# Allegro board reServer industrial J401 Carrier Board v11.brd (continued)
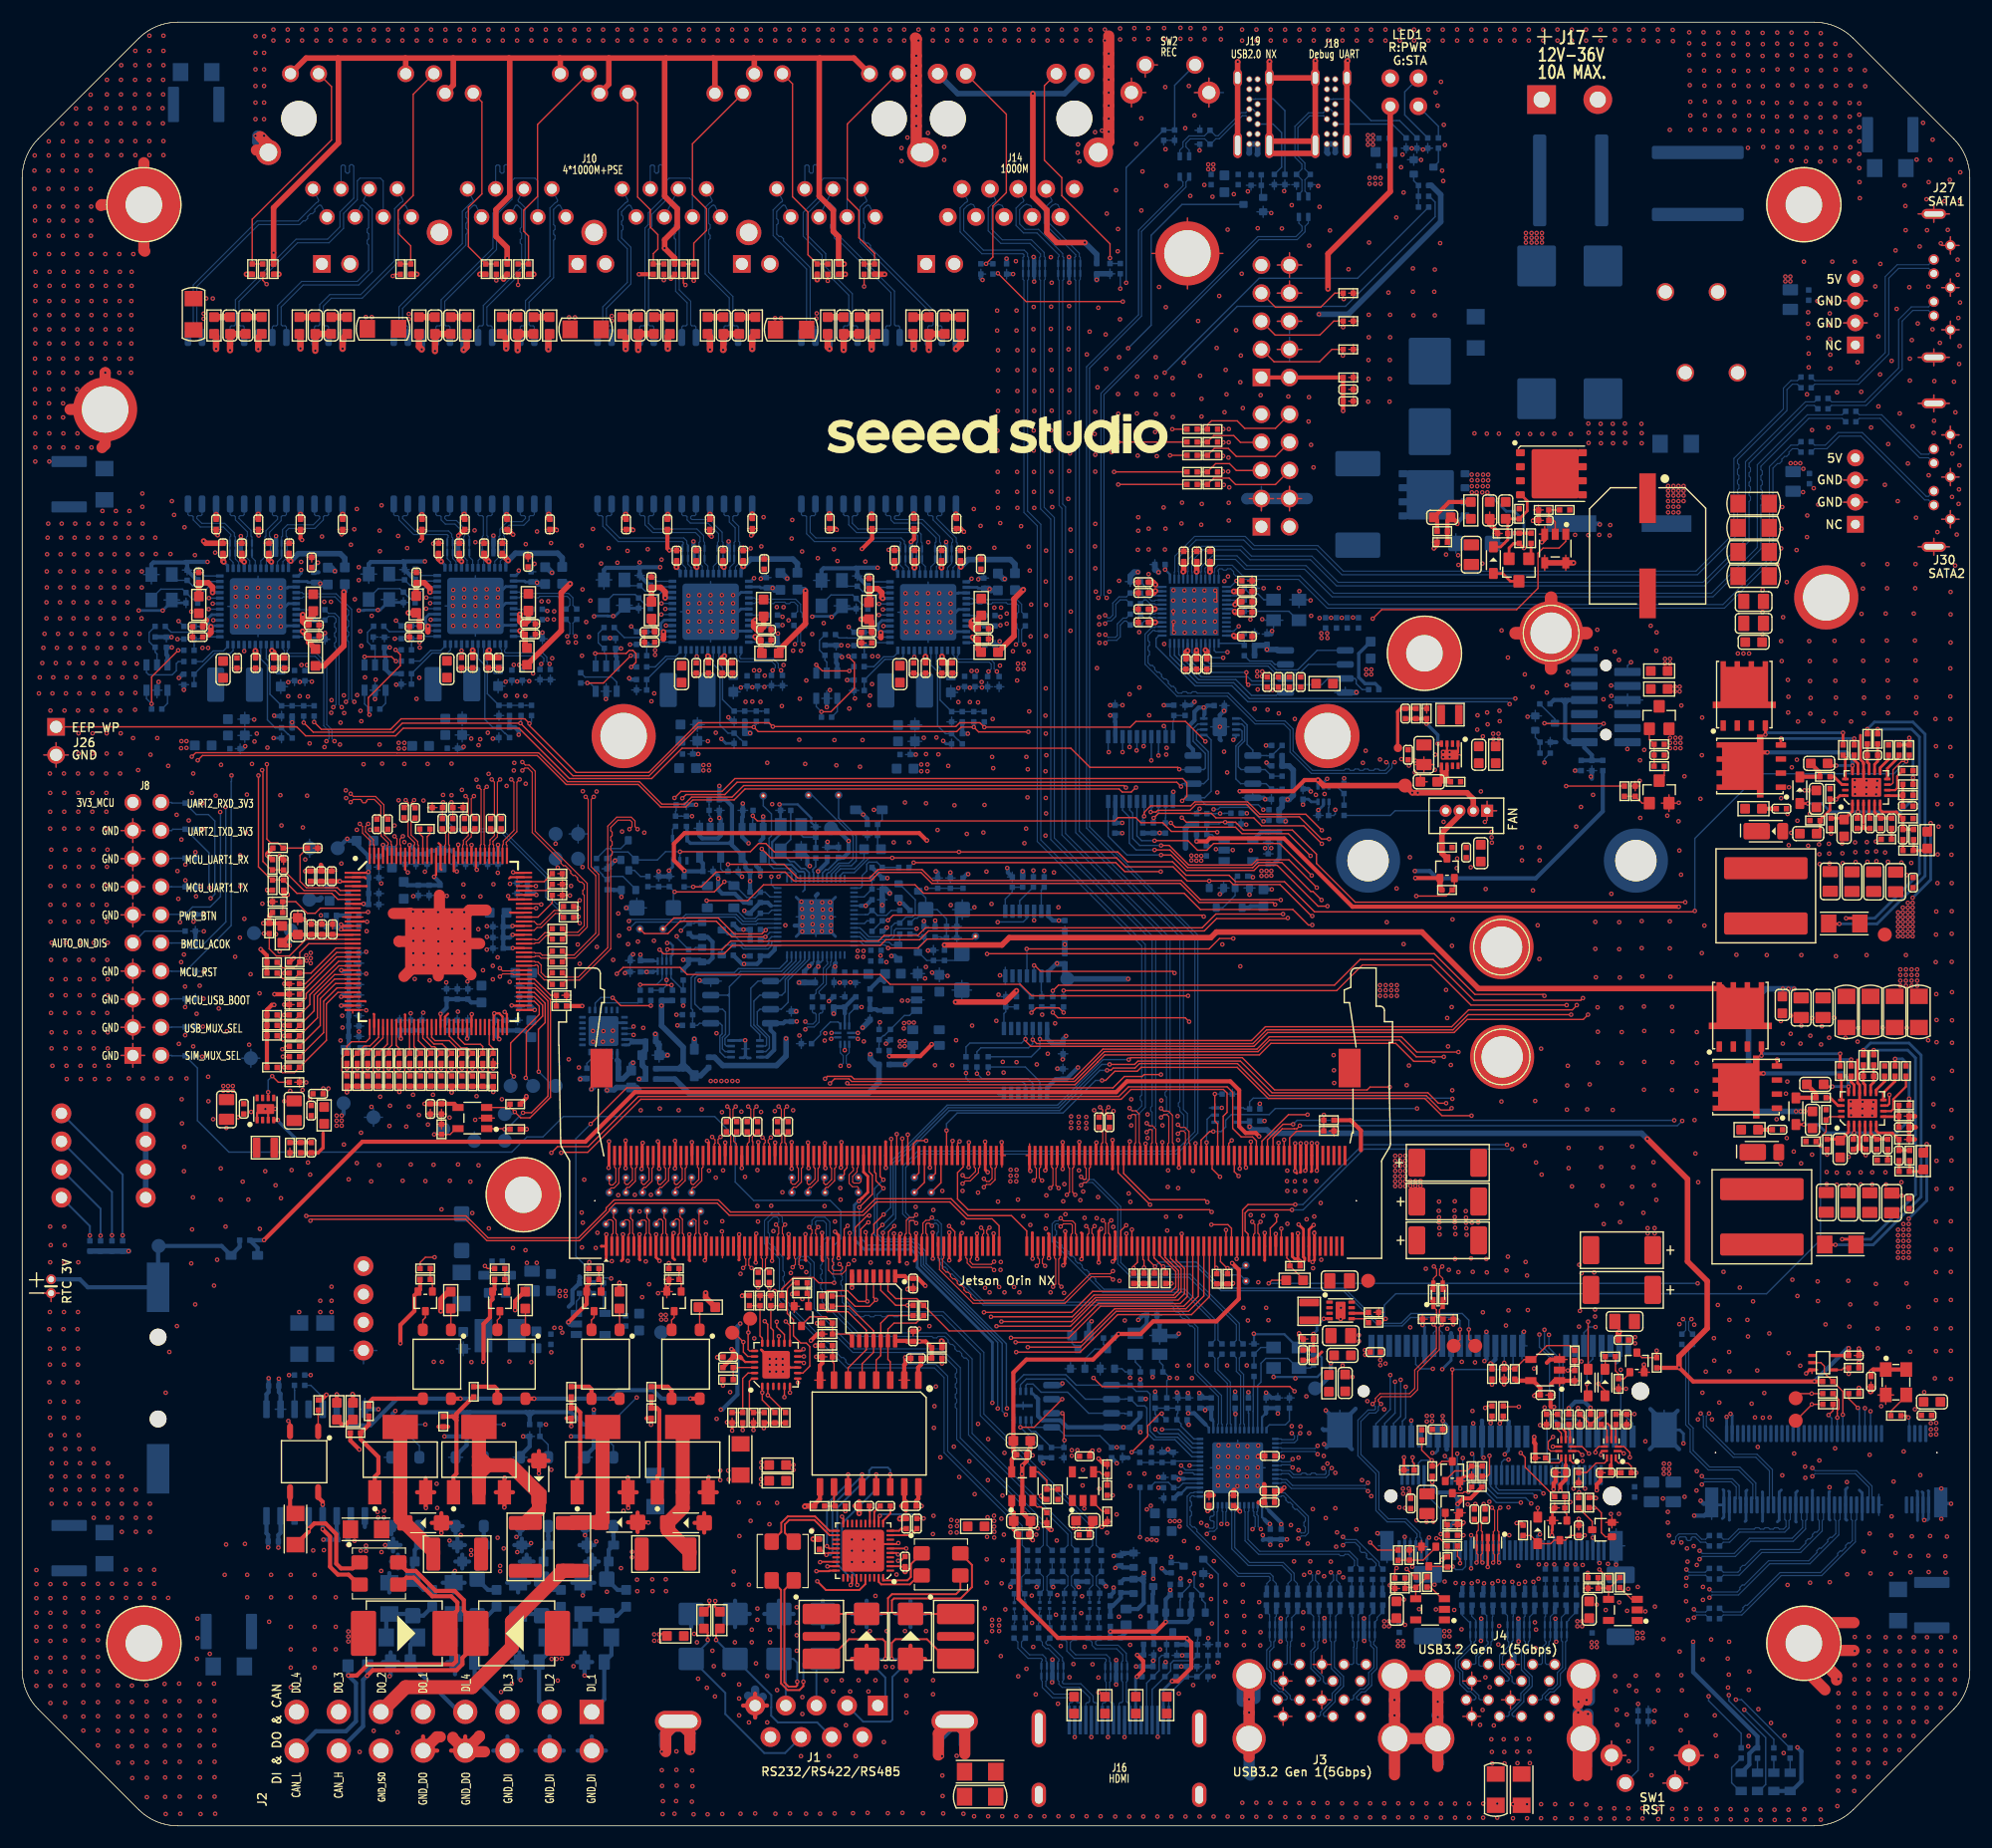
[diagram p0: board, top side]
## Placement (name value [footprint] x y rotation side) (continued)
R35  0R  [R0402]  140.45 20.41 270 bottom
R36  0R  [R0402]  133.85 20.42 270 bottom
R37  0R  [R0402]  135.76 20.42 270 bottom
R38  0R  [R0402]  137.64 20.43 270 bottom
R39  0R  [R0402]  138.58 20.43 270 bottom
R40  0R  [R0402]  144.38 21.99 90 top
R41  0R  [R0402]  143.36 21.97 270 top
R42  0R  [R0402]  141.95 22.42 0 top
R43  12K  [R0402]  114.51 38.21 90 bottom
R44  10K  [R0402]  34.59 36.27 0 bottom
R45  10K  [R0402]  40.63 36.27 0 bottom
R46  10K  [R0402]  46.32 36.27 0 bottom
R47  10K  [R0402]  52.12 36.27 0 bottom
R48  0R  [R0402]  111.31 41.08 270 bottom
R49  1K  [R0402]  110.81 38.21 90 bottom
R50  27R  [R0402]  25.54 40.27 270 bottom
R51  27R  [R0402]  24.61 40.27 270 bottom
R52  10K  [R0402]  103.59 30.56 180 bottom
R53  0R  [R0402]  103.44 38.21 270 bottom
R54  100K  [R0402]  103 33.3 90 bottom
R55  0R  [R0402]  102.91 36.7 180 bottom
R56  1M  [R1206]  25.04 44.03 90 bottom
R57  10K  [R0402]  102.38 38.21 270 bottom
R58  10K  [R0402]  102.04 33.3 270 bottom
R59  2.2K  [R0402]  155.34 6.58 90 bottom
R60  100K  [R0402]  100.61 38.58 0 bottom
R61  10K  [R0402]  100.58 39.82 180 bottom
R62  10K  [R0402]  100.55 37.25 180 bottom
R63  0R  [R0402]  52.07 48.1 0 bottom
R64  0R  [R0603]  42.92 48.17 0 bottom
R65  1K  [R0402]  156.81 6.58 90 bottom
R66  15K  [R0402]  50.36 48.58 90 bottom
R67  0R  [R0402]  52.07 49.06 0 bottom
R68  510R  [R0805]  46.07 49.24 90 bottom
R69  10K  [R0402]  98.44 33.73 90 bottom
R70  100K  [R0402]  116.69 42.54 90 top
R71  0R  [R0402]  42.92 51.03 180 bottom
R72  200K  [R0402]  94.14 33.73 270 bottom
R73  10K  [R0402]  102.62 41.02 0 bottom
R74  100K  [R0402]  116.22 44 180 top
R75  10K  [R0402]  92.03 33.73 90 bottom
R76  0R  [R0402]  100.58 41.02 0 bottom
R77  0R  [R0402]  122.12 45.47 180 top
R78  0R  [R0402]  122.12 46.41 0 top
R79  100K  [R0402]  101.26 90.18 90 bottom
R80  100K  [R0402]  102.22 90.18 90 bottom
R81  100K  [R0402]  103.31 90.18 90 bottom
R82  10K  [R0402]  113.85 97.17 90 bottom
R83  10K  [R0402]  112.91 97.17 90 bottom
R84  10K  [R0402]  113.85 95.32 270 bottom
R85  10K  [R0402]  112.91 95.32 90 bottom
R86  100K  [R0402]  117.59 91.31 180 bottom
R87  10K  [R0402]  62.54 92.74 180 bottom
R88  10K  [R0402]  112.89 93.23 270 bottom
R89  10K  [R0402]  113.85 93.22 90 bottom
R90  200R  [R0402]  119.45 91.78 270 bottom
R91  100K  [R0402]  62.54 91.77 0 bottom
R92  1M  [R0402]  65.58 91.77 180 bottom
R93  10K  [R0402]  128.76 88.41 180 top
R94  10K  [R0402]  119.44 93.75 90 bottom
R95  47K  [R0402]  113.12 91.83 180 bottom
R96  200R  [R0402]  59.04 90.79 270 bottom
R97  100K  [R0402]  60.02 90.78 90 bottom
R98  10K  [R0402]  106.6 91.47 180 bottom
R99  47K  [R0402]  113.12 90.86 180 bottom
R100  10K  [R0402]  76.84 90.5 0 bottom
R101  100K  [R0402]  109.68 90.55 0 bottom
R102  10K  [R0402]  106.59 90.55 0 bottom
R103  10K  [R0402]  128.76 84.57 0 top
R104  51K  [R0402]  106.59 89.58 0 bottom
R105  100K  [R0402]  113.61 89.36 90 bottom
R106  44.2K  [R0402]  112.59 89.36 270 bottom
R107  499R  [R0402]  71.71 87.93 270 bottom
R108  100K  [R0402]  51.9 86.96 90 bottom
R109  100K  [R0402]  52.83 86.95 270 bottom
R110  0R  [R0402]  79.68 86.61 0 bottom
R111  10K  [R0402]  77.26 86.61 0 bottom
R112  7mR  [R1206]  164.3 52.54 0 top
R113  100K  [R0402]  64.25 86.26 0 bottom
R114  10R  [R0603]  156.09 62.91 0 top
R115  10K  [R0402]  104.07 100.81 270 bottom
R116  1M  [R0402]  105.09 100.81 270 bottom
R117  10K  [R0402]  77.26 85.65 0 bottom
R118  5.1K  [R0402]  57.52 85.34 90 bottom
R119  19.6K  [R0402]  56.55 85.34 270 bottom
R120  100K  [R0402]  59.82 85.32 270 bottom
R121  100K  [R0402]  85.02 85.19 270 bottom
R122  100K  [R0402]  83.88 85.19 90 bottom
R123  100K  [R0402]  52.87 85.06 270 bottom
R124  100K  [R0402]  110.28 85.82 180 bottom
R125  0R  [R0402]  77.26 84.66 0 bottom
R126  10K  [R0402]  66.24 84.38 0 bottom
R127  0R  [R0603]  112.16 83.87 270 bottom
R128  10K  [R0402]  79.77 82.73 0 bottom
R129  0R  [R0402]  77.26 82.73 0 bottom
R130  10K  [R0402]  66.24 82.47 0 bottom
R131  0R  [R0402]  77.26 81.79 0 bottom
R132  0R  [R0402]  79.77 81.59 0 bottom
R133  47K  [R0402]  84 81.28 0 bottom
R134  47K  [R0402]  60.28 81.09 90 bottom
R135  10K  [R0402]  66.25 81 0 bottom
R136  10K  [R0402]  64.27 81 270 bottom
R137  100K  [R0402]  77.26 80.85 180 bottom
R138  100K  [R0402]  82.51 80.79 270 bottom
R139  0R  [R0402]  79.76 80.59 0 bottom
R140  10K  [R0402]  66.25 80.06 0 bottom
R141  100K  [R0402]  163.01 64.26 270 top
R142  10K  [R0402]  64.27 79.14 90 bottom
R143  47K  [R0402]  60.23 78.73 90 bottom
R144  100K  [R0402]  83.35 78.67 270 bottom
R145  12.4K  [R0402]  82.35 78.67 90 bottom
R146  0R  [R0402]  164.26 68.21 90 top
R147  2.2R  [R0402]  162.55 65.8 180 top
R148  1M  [R0402]  161.65 61.84 180 top
R149  0R  [R0402]  163.1 61.59 90 top
R150  0R  [R0402]  165.27 68.21 90 top
R151  100K  [R0402]  76.61 75.17 270 bottom
R152  0R  [R0402]  55.85 75.05 90 bottom
R153  0R  [R0402]  56.81 75.05 90 bottom
R154  0R  [R0402]  59.74 76.89 90 bottom
R155  100K  [R0402]  59.74 75.05 270 bottom
R156  100K  [R0402]  58.77 75.05 90 bottom
R157  10R  [R0603]  172.15 89.08 270 top
R158  0R  [R0402]  166.38 69.22 270 top
R159  10K  [R0402]  75.34 74.45 270 bottom
R160  0R  [R0402]  70.86 70.68 180 bottom
R161  27R  [R0402]  72.34 74.45 90 bottom
R162  27R  [R0402]  71.4 74.45 90 bottom
R163  51K  [R0402]  168.45 89.16 180 top
R164  0R  [R0402]  163.45 90.6 90 top
R165  0R  [R0402]  170.42 88.14 180 top
R166  0R  [R0402]  167.31 69.22 270 top
R167  499R  [R0402]  21.74 140.68 90 top
R168  20K  [R0402]  76.61 73.33 270 bottom
R169  1K  [R0402]  60.13 73.3 180 bottom
R170  51K  [R0402]  168.1 60.15 180 top
R171  100K  [R0402]  168.29 68.21 90 top
R172  499R  [R0402]  34.17 140.68 90 top
R173  66.5K  [R0402]  170.91 89.58 90 top
R174  12.4K  [R0402]  170.41 91.03 0 top
R175  10K  [R0402]  60.13 72.34 0 bottom
R176  0R  [R0402]  169.24 68.21 90 top
R177  0R  [R0402]  77.44 71.51 270 bottom
R178  39.2K  [R0402]  170.05 64.14 0 top
R179  0R  [R0402]  170.05 65.11 180 top
R180  12.4K  [R0402]  170.05 62.03 0 top
R181  22K  [R0402]  162.01 90.85 180 top
R182  39.2K  [R0402]  170.22 68.21 90 top
R183  10R  [R0603]  171.8 60.07 270 top
R184  0R  [R0402]  170.07 59.14 180 top
R185  100K  [R0402]  163.36 93.26 270 top
R186  39.2K  [R0402]  170.55 60.57 90 top
R187  0R  [R0402]  170.4 94.12 180 top
R188  39.2K  [R0402]  170.4 93.14 0 top
R189  10K  [R0402]  77.89 70.06 180 bottom
R190  39.2K  [R0402]  170.4 95.35 0 top
R191  2.2R  [R0402]  162.9 94.81 180 top
R192  10K  [R0402]  170.53 97.22 270 top
R193  0R  [R0402]  164.54 97.22 90 top
R194  0R  [R0402]  169.6 97.22 90 top
R195  10K  [R0402]  111.38 64.79 180 bottom
R196  0R  [R0402]  165.55 97.22 90 top
R197  100K  [R0402]  168.65 97.22 90 top
R198  0R  [R0402]  166.74 98.23 270 top
R199  0R  [R0402]  167.66 98.23 270 top
R200  0R  [R0402]  93.13 74.47 90 bottom
R201  10K  [R0402]  118.07 63.77 180 top
R202  0R  [R0402]  92.35 85.29 90 bottom
R203  47K  [R0402]  102.32 49.48 90 top
R204  47K  [R0402]  103.33 49.48 90 top
R205  47K  [R0402]  100.44 49.48 90 top
R206  47K  [R0402]  101.38 49.48 90 top
R207  0R  [R0402]  23.44 98.77 270 bottom
R208  10K  [R0402]  24.4 98.77 270 bottom
R209  10K  [R0402]  24.4 100.75 90 bottom
R210  0R  [R0402]  26.39 100.75 90 bottom
R211  0R  [R0402]  25.44 100.75 90 bottom
R212  47K  [R0402]  165.51 41.39 180 top
R213  47K  [R0402]  163.16 40.16 0 top
R214  75R  [R0603]  17.34 135.59 90 top
R215  0R  [R0402]  15.08 103.13 180 bottom
R216  0R  [R0402]  163.16 39.06 0 top
R217  47K  [R0402]  165.51 39.06 180 top
R218  1K  [R0402]  98.05 30.33 90 top
R219  499R  [R0402]  15.08 104.07 180 bottom
R220  0R  [R0402]  163.17 38.09 0 top
R221  0R  [R0402]  15.08 105.22 180 bottom
R222  100K  [R0402]  98.05 32.22 90 top
R223  0R  [R0402]  15.08 106.23 180 bottom
R224  100K  [R0402]  92.59 29.96 270 top
R225  1K  [R0402]  93.6 29.96 90 top
R226  7mR  [R1206]  149.42 124.89 180 bottom
R227  820KD14  [RES_0D8_16_5X4_1X20MM]  149.38 134.97 90 bottom
R228  820KD14  [RES_0D8_16_5X4_1X20MM]  154.1 134.97 270 bottom
R229  1K  [R0402]  12.16 100.93 0 bottom
R230  200R  [R0402]  26.9 107.22 0 bottom
R231  10K  [R0402]  12.02 106.98 90 bottom
R232  0R  [R0402]  15.08 107.25 180 bottom
R233  15K  [R0402]  98.05 27.95 270 top
R234  0R  [R0402]  12.48 108.39 180 bottom
R235  0R  [R0402]  15.08 108.39 180 bottom
R236  15K  [R0402]  92.59 27.85 270 top
R237  27R  [R0402]  169.32 37.07 0 top
R238  7mR  [R1206]  131.35 134.97 270 bottom
R239  0R  [R0402]  15.87 110.95 270 bottom
R240  100K  [R0402]  99.28 23.97 90 bottom
R241  10K  [R0402]  70.48 48.12 0 top
R242  10K  [R0402]  103.83 23.34 90 bottom
R243  6.04K  [R0402]  15.89 113.07 270 bottom
R244  499R  [R0402]  97.51 22.54 90 bottom
R245  499R  [R0402]  96.27 22.54 90 bottom
R246  499R  [R0402]  95.28 22.54 90 bottom
R247  499R  [R0402]  94.04 22.54 90 bottom
R248  499R  [R0402]  93.07 22.54 90 bottom
R249  499R  [R0402]  91.8 22.54 90 bottom
R250  499R  [R0402]  90.83 22.54 90 bottom
R251  499R  [R0402]  89.56 22.54 90 bottom
R252  499R  [R0402]  87.72 140.7 90 bottom
R253  499R  [R0402]  99.23 140.72 90 bottom
R254  150K  [R0402]  99.28 21.54 90 bottom
R255  10K  [R0402]  106.14 20.87 0 bottom
R256  10K  [R0402]  104.21 20.87 0 bottom
R257  10K  [R0402]  107.62 16.39 180 bottom
R258  33K  [R0402]  98.78 17 0 bottom
R259  10K  [R0402]  107.62 15.41 180 bottom
R260  5.1R  [R0402]  97.33 17.43 270 bottom
R261  5.1R  [R0402]  96.31 17.43 270 bottom
R262  5.1R  [R0402]  95.09 17.43 270 bottom
R263  5.1R  [R0402]  94.08 17.43 270 bottom
R264  5.1R  [R0402]  92.86 17.43 270 bottom
R265  5.1R  [R0402]  91.84 17.43 270 bottom
R266  5.1R  [R0402]  90.65 17.43 270 bottom
R267  5.1R  [R0402]  89.63 17.43 270 bottom
R268  2.2K  [R0402]  105.74 16.39 0 bottom
R269  2.2K  [R0402]  103.88 16.39 180 bottom
R270  0R  [R0402]  34.73 108.43 180 bottom
R271  0R  [R0402]  32.22 108.41 180 bottom
R272  10K  [R0402]  111.51 148.25 180 bottom
R273  10K  [R0402]  111.51 149.2 0 bottom
R274  5.1K  [R0402]  126.04 152.07 270 bottom
R275  5.1K  [R0402]  125.06 152.07 270 bottom
R276  5.1K  [R0402]  114.1 148.77 270 bottom
R277  5.1K  [R0402]  113.15 148.77 270 bottom
R278  0R  [R0603]  63.05 18.59 270 top
R279  0R  [R0603]  61.6 18.59 270 top
R280  0R  [R0603]  59.03 17.16 0 top
R281  1M  [R1206]  57.22 30.25 270 bottom
R282  0R  [R0603]  86.2 27.06 180 top
R283  0R  [R0402]  114.33 20.42 270 bottom
R284  0R  [R0402]  77.89 68.8 0 bottom
R285  10K  [R0402]  104.81 36.7 0 bottom
R286  0R  [R0402]  100.99 33.3 270 bottom
R287  100K  [R0402]  147.7 41.85 90 top
R288  1K  [R0402]  124.32 24.46 270 top
R289  0R  [R0402]  115.26 20.42 270 bottom
R290  120R  [R1206]  24.7 26.82 90 top
R291  47K  [R0402]  125.33 32.15 180 top
R292  100K  [R0402]  125.37 24.47 90 top
R293  47K  [R0402]  126.47 35.32 270 top
R294  47K  [R0402]  127.42 32.05 90 top
R295  10K  [R0402]  128.8 23.85 270 top
R296  1K  [R0402]  129.24 26.26 180 top
R297  100K  [R0402]  129.24 27.22 0 top
R298  0R  [R0402]  129.24 25.29 180 top
R299  10K  [R0402]  73.93 28.9 0 top
R300  1M  [R0402]  72.05 28.9 180 top
R301  0R  [R0603]  68.27 31.18 0 top
R302  0R  [R0402]  128.42 48.01 90 top
R303  0R  [R0402]  127.48 48.01 90 top
R304  0R  [R0603]  68.27 32.6 0 top
R305  100K  [R0402]  130.98 32.05 270 top
R306  47K  [R0402]  131.45 30.63 180 top
R307  1K  [R0402]  131.94 32.05 90 top
R308  0R  [R0402]  132.82 37.48 270 top
R309  0R  [R0402]  132.82 40.84 270 top
R310  0R  [R0402]  133.84 37.48 270 top
R311  10K  [R0402]  56.85 37.3 270 top
R312  10K  [R0402]  49.62 37.3 270 top
R313  10K  [R0402]  38.06 36.54 270 top
R314  10K  [R0402]  30.12 35.51 180 top
R315  0R  [R0402]  140.29 42.52 270 top
R316  100K  [R0402]  140.29 40.69 270 top
R317  100K  [R0402]  135.62 26.7 270 top
R318  499R  [R0402]  26.76 38.03 270 top
R319  0R  [R0402]  137.19 33.25 0 top
R320  330R  [R0402]  56.85 39.23 270 top
R321  330R  [R0402]  49.62 39.23 270 top
R322  330R  [R0402]  40.81 39.23 270 top
R323  330R  [R0402]  31.33 37.48 270 top
R324  0R  [R0402]  138.74 36.73 90 top
R325  100K  [R0402]  134.88 40.84 90 top
R326  100K  [R0402]  138.94 28.74 180 top
R327  1K  [R0402]  138.94 29.75 180 top
R328  0R  [R0402]  139.76 36.73 90 top
R329  0R  [R0402]  140.64 29.2 90 top
R330  0R  [R0402]  140.64 31.47 90 top
R331  10K  [R0402]  141.6 29.21 270 top
R332  15K  [R0402]  141.72 36.73 270 top
R333  0R  [R0402]  142.7 36.73 90 top
R334  0R  [R0402]  82.66 42.26 180 top
R335  1M  [R0402]  72.76 42.39 0 top
R336  0R  [R0402]  144.02 36.73 90 top
R337  0R  [R0402]  82.66 43.22 180 top
R338  10K  [R0402]  72.76 43.41 0 top
R339  10K  [R0402]  144.94 31.91 180 top
R340  150R  [R0603]  61.87 46.88 180 top
R341  150R  [R0603]  53.97 47.51 270 top
R342  150R  [R0603]  45.46 47.51 270 top
R343  150R  [R0603]  38.73 47.51 270 top
R344  1M  [R0402]  72.76 44.45 0 top
R345  10K  [R0402]  72.76 45.44 0 top
R346  100K  [R0402]  58.9 49.38 180 top
R347  100K  [R0402]  51.66 49.38 180 top
R348  100K  [R0402]  43.15 49.38 180 top
R349  100K  [R0402]  36.42 49.38 180 top
R350  0R  [R0402]  81.46 46.58 270 top
R351  0R  [R0402]  80.52 46.58 270 top
R352  0R  [R0402]  73.2 47.42 270 top
R353  0R  [R0402]  72.26 47.42 270 top
R354  1K  [R0402]  58.9 50.37 0 top
R355  1K  [R0402]  51.66 50.37 0 top
R356  1K  [R0402]  43.15 50.37 0 top
R357  1K  [R0402]  36.42 50.37 0 top
R358  0R  [R0402]  55.98 107.91 180 bottom
R359  0R  [R0402]  53.04 108.29 180 bottom
R360  0R  [R0402]  55.98 106.77 180 bottom
R361  2.2K  [R0402]  107.95 49.44 90 top
R362  2.2K  [R0402]  108.92 49.44 90 top
R363  0R  [R0402]  55.98 105.75 180 bottom
R364  0R  [R0402]  55.98 104.73 180 bottom
R365  10K  [R0402]  65.3 100.27 90 bottom
R366  7mR  [R1206]  164.65 81.54 0 top
R367  0R  [R0402]  20.12 52.92 180 bottom
R368  10R  [R0603]  156.45 91.92 0 top
R369  100K  [R0402]  128.33 116 180 top
R370  10K  [R0402]  136.34 116.36 270 top
R371  2.2K  [R0402]  135.28 116.36 90 top
R372  100K  [R0402]  133.78 116.79 180 top
R373  100K  [R0402]  128.33 117 0 top
R374  1M  [R1206]  7.44 25.1 90 bottom
R375  0R  [R0603]  130.91 118.87 270 top
R376  100K  [R0402]  135.28 118.57 270 top
R377  147K  [R0402]  139.39 118.91 180 top
R378  61.9K  [R0402]  137.49 118.91 180 top
R379  0R  [R0402]  66.68 47.47 90 top
R380  10K  [R0402]  65.72 47.47 270 top
R381  0R  [R0402]  66.09 36.89 270 top
R382  100K  [R0402]  63.79 41.42 0 top
R383  0R  [R0402]  64.16 36.89 270 top
R384  10K  [R0402]  65.11 36.89 90 top
R385  10K  [R0402]  67.05 36.89 90 top
R386  0R  [R0402]  63.79 40.33 0 top
R387  1M  [R1206]  7.44 121.24 270 bottom
R388  100K  [R0402]  144.25 39.95 90 top
R389  27R  [R0402]  68.65 47.47 90 top
R390  100K  [R0402]  72.04 25.45 270 top
R391  100K  [R0402]  6.12 52.4 90 bottom
R392  100K  [R0402]  7.09 52.4 90 bottom
R393  100K  [R0402]  8.12 52.4 90 bottom
R394  100K  [R0402]  9.08 52.4 90 bottom
R395  10K  [R0402]  93.01 33.73 90 bottom
R396  200K  [R0402]  99.42 33.73 270 bottom
R397  10K  [R0402]  15.2 80.86 180 bottom
R398  0R  [R0402]  98.33 18.49 270 bottom
R399  0R  [R0402]  98.33 20.34 270 bottom
R400  0R  [R0402]  87.29 69.04 90 bottom
R401  0R  [R0402]  86.28 69.04 90 bottom
R402  0R  [R0402]  85.29 69.04 90 bottom
R403  0R  [R0402]  94.11 74.47 90 bottom
R404  0R  [R0603]  29.9 37.48 270 top
R405  0R  [R0603]  28.44 37.48 270 top
R406  7mR  [R1206]  64.92 33.11 270 top
R407  7mR  [R1206]  31.07 26.8 0 top
R408  1M  [R1206]  169.51 19.96 90 bottom
R409  1M  [R1206]  168.81 149.81 0 bottom
R410  0R  [R0603]  97.84 10.91 270 top
R411  1M  [R1206]  135.5 3.27 270 top
R412  10K  [R0402]  68.02 36.89 90 top
R413  10K  [R0402]  68.98 36.89 90 top
R414  0R  [R0402]  34.73 107.29 180 bottom
R415  0R  [R0402]  34.72 106.28 180 bottom
R416  0R  [R0402]  34.72 105.26 180 bottom
R417  0R  [R0402]  73.33 74.47 270 bottom
R418  100K  [R0402]  57.79 75.05 90 bottom
R419  0R  [R0402]  62.04 68.99 270 bottom
R420  0R  [R0402]  56.8 68.43 0 bottom
R421  1K  [R0402]  51.03 68 90 bottom
R422  0R  [R0402]  56.8 67.48 0 bottom
R423  22K  [R0402]  53.42 68.45 180 bottom
R424  47K  [R0402]  52 68 270 bottom
R425  10K  [R0402]  65.3 98.28 270 bottom
R426  499R  [R0402]  55.97 103.59 180 bottom
R427  10K  [R0402]  89.85 74.47 270 bottom
R428  1M  [R0402]  88.88 74.47 270 bottom
R429  10K  [R0402]  90.41 85.29 270 bottom
R430  1M  [R0402]  89.47 85.29 270 bottom
R431  0R  [R0402]  92.13 74.47 90 bottom
R432  0R  [R0402]  140.87 95.82 90 bottom
R433  0R  [R0402]  142.83 95.82 90 bottom
R434  1K  [R0402]  137.62 96.93 180 bottom
R435  100K  [R0402]  137.62 97.93 0 bottom
R436  0R  [R0402]  91.2 74.47 90 bottom
R437  10K  [R0402]  109.69 91.51 180 bottom
R438  100K  [R0402]  137.6 101.39 180 bottom
R439  0R  [R0402]  91.38 85.3 90 bottom
R440  1M  [R0402]  141.95 21.48 180 top
R441  1K  [R0402]  143.51 42.41 0 top
R442  0R  [R0402]  70.48 49.06 0 top
R443  499R  [R0402]  127.02 152.07 270 bottom
R444  0R  [R0603]  103.43 10.91 270 top
R445  1M  [R1206]  86.57 4.9 180 top
R446  1K  [R0402]  105.72 121.23 0 top
R447  1K  [R0402]  105.72 125.06 180 top
R448  1K  [R0402]  105.72 122.35 180 top
R449  0R  [R0402]  105.72 123.85 0 top
R450  0R  [R0402]  105.72 126.22 0 top
R451  0R  [R0603]  100.64 10.91 270 top
R452  5.1K  [R0402]  122.14 102.69 180 bottom
R453  5.1K  [R0402]  110.9 105.75 180 bottom
R454  330R  [R0402]  158.28 6.58 270 bottom
R455  75K  [R0402]  25.17 61.29 90 top
R456  0R  [R0402]  24.6 67.2 0 top
R457  100K  [R0402]  24.19 61.29 270 top
R458  5.1K  [R0402]  44.55 62.96 180 top
R459  5.1K  [R0402]  44.55 65.22 180 top
R460  330R  [R0402]  24.6 76.09 180 top
R461  330R  [R0402]  24.6 75.15 180 top
R462  330R  [R0402]  24.6 74.21 180 top
R463  5.1K  [R0402]  22.58 78.04 0 top
R464  330R  [R0402]  24.62 78.05 180 top
R465  5.1K  [R0402]  22.58 77.06 0 top
R466  330R  [R0402]  24.6 77.06 180 top
R467  5.1K  [R0402]  22.58 73.27 0 top
R468  330R  [R0402]  24.6 73.27 180 top
R469  5.1K  [R0402]  22.58 72.33 0 top
R470  330R  [R0402]  24.6 72.33 180 top
R471  5.1K  [R0402]  22.58 71.41 0 top
R472  330R  [R0402]  24.6 71.39 180 top
R473  5.1K  [R0402]  22.58 68.54 0 top
R474  330R  [R0402]  24.6 68.55 180 top
R475  5.1K  [R0402]  48.73 74.09 180 top
R476  330R  [R0402]  48.73 75.05 0 top
R477  5.1K  [R0402]  40.69 67.3 90 top
R478  330R  [R0402]  40.68 69.36 270 top
R479  75R  [R0603]  21.66 135.59 90 top
R480  75R  [R0603]  25.05 135.59 90 top
R481  5.1K  [R0402]  41.63 67.3 90 top
R482  330R  [R0402]  41.62 69.36 270 top
R483  5.1K  [R0402]  42.57 67.28 90 top
R484  330R  [R0402]  42.56 69.36 270 top
R485  33R  [R0402]  24.61 70.45 0 top
R486  33R  [R0402]  24.61 69.51 0 top
R487  5.1K  [R0402]  23.09 82.54 0 top
R488  330R  [R0402]  23.09 83.52 180 top
R489  5.1K  [R0402]  29.35 67.31 90 top
R490  330R  [R0402]  29.34 69.36 270 top
R491  5.1K  [R0402]  37.87 67.31 90 top
R492  330R  [R0402]  37.86 69.36 270 top
R493  5.1K  [R0402]  38.81 67.31 90 top
R494  330R  [R0402]  38.8 69.36 270 top
R495  5.1K  [R0402]  39.75 67.31 90 top
R496  330R  [R0402]  39.74 69.36 270 top
R497  0R  [R0402]  31.22 67.31 90 top
R498  0R  [R0402]  31.22 69.36 270 top
R499  0R  [R0402]  30.28 67.31 90 top
R500  0R  [R0402]  30.28 69.36 270 top
R501  330R  [R0402]  48.36 85.08 0 top
R502  330R  [R0402]  48.36 86.05 0 top
R503  0R  [R0402]  32.18 67.31 90 top
R504  0R  [R0402]  32.19 69.36 270 top
R505  0R  [R0402]  33.12 67.31 90 top
R506  0R  [R0402]  33.13 69.36 270 top
R507  0R  [R0402]  34.09 67.31 90 top
R508  0R  [R0402]  34.07 69.36 270 top
R509  0R  [R0402]  35.05 67.31 90 top
R510  0R  [R0402]  35.03 69.36 270 top
R511  0R  [R0402]  35.99 67.31 90 top
R512  0R  [R0402]  36 69.36 270 top
R513  0R  [R0402]  36.93 67.31 90 top
R514  0R  [R0402]  36.94 69.36 270 top
R515  5.1K  [R0402]  22.62 85.01 90 top
R516  5.1K  [R0402]  22.62 86.86 270 top
R517  5.1K  [R0402]  23.12 88.37 0 top
R518  5.1K  [R0402]  22.33 81.1 270 top
R519  1.43K  [R0402]  36.39 90.09 0 top
R520  33R  [R0402]  49.38 82.09 180 top
R521  33R  [R0402]  49.38 83.08 180 top
R522  33R  [R0402]  48.36 80.13 180 top
R523  475R  [R0402]  48.36 84.09 0 top
R524  33R  [R0402]  48.36 81.07 180 top
R525  33R  [R0402]  48.36 78.08 180 top
R526  33R  [R0402]  48.36 79.04 180 top
R527  33R  [R0402]  48.36 76.04 180 top
R528  33R  [R0402]  48.36 77.08 180 top
R529  10K  [R0402]  37.9 62.95 90 top
R530  49.9R  [R0402]  39.39 92.02 0 top
R531  49.9R  [R0402]  37.53 92.02 180 top
R532  49.9R  [R0402]  47.73 104.04 270 bottom
R533  49.9R  [R0402]  46.79 104.04 270 bottom
R534  49.9R  [R0402]  68.7 103.5 270 bottom
R535  49.9R  [R0402]  67.71 103.5 270 bottom
R536  49.9R  [R0402]  88.28 103.4 270 bottom
R537  49.9R  [R0402]  87.24 103.4 270 bottom
R538  75R  [R0603]  29.37 135.59 90 top
R539  10K  [R0402]  44.04 100.8 90 bottom
R540  10K  [R0402]  44.04 98.81 270 bottom
R541  499R  [R0402]  34.72 104.12 180 bottom
R542  75R  [R0603]  35.86 135.59 90 top
R543  75R  [R0603]  40.17 135.59 90 top
R544  75R  [R0603]  43.33 135.59 90 top
R545  75R  [R0603]  47.66 135.59 90 top
R546  0R  [R0402]  34.72 103.17 180 bottom
R547  0R  [R0402]  46.03 100.8 90 bottom
R548  0R  [R0402]  45.08 100.8 90 bottom
R549  0R  [R0402]  43.08 98.81 270 bottom
R550  200R  [R0402]  46.55 107.26 0 bottom
R551  6.04K  [R0402]  35.54 113.11 270 bottom
R552  0R  [R0402]  35.51 111 270 bottom
R553  499R  [R0402]  44.81 140.68 90 top
R554  499R  [R0402]  42.85 140.68 90 top
R555  100K  [R0402]  98.17 44.08 180 bottom
R556  1K  [R0402]  31.87 100.92 0 bottom
R557  10K  [R0402]  31.72 106.97 90 bottom
R558  0R  [R0402]  120.1 20.42 270 bottom
R559  0R  [R0402]  121.02 20.42 270 bottom
R560  0R  [R0402]  119.09 20.42 270 bottom
R561  0R  [R0402]  118.17 20.42 270 bottom
R562  0R  [R0402]  112.43 20.42 270 bottom
R563  0R  [R0402]  113.35 20.42 270 bottom
R564  0R  [R0402]  122.03 20.42 270 bottom
R565  0R  [R0402]  122.95 20.42 270 bottom
R566  0R  [R0402]  101.47 30.58 180 bottom
R567  75R  [R0603]  61.93 135.59 90 top
R568  75R  [R0603]  66.26 135.59 90 top
R569  75R  [R0603]  54.22 135.59 90 top
R570  75R  [R0603]  58.54 135.59 90 top
R571  0R  [R0402]  55.97 102.65 180 bottom
R572  0R  [R0402]  67.28 100.27 90 bottom
R573  0R  [R0402]  66.34 100.27 90 bottom
R574  0R  [R0402]  64.33 98.28 270 bottom
R575  200R  [R0402]  67.8 106.74 0 bottom
R576  6.04K  [R0402]  56.79 112.58 270 bottom
R577  0R  [R0402]  56.76 110.47 270 bottom
R578  499R  [R0402]  59.75 140.68 90 top
R579  499R  [R0402]  57.99 140.68 90 top
R580  5.1R  [R0603]  95.64 44.31 180 bottom
R581  1K  [R0402]  50.48 103.74 90 bottom
R582  10K  [R0402]  52.61 106.88 90 bottom
R583  0R  [R0402]  75.64 107.86 180 bottom
R584  0R  [R0402]  73.03 107.66 180 bottom
R585  0R  [R0402]  75.63 106.67 180 bottom
R586  0R  [R0402]  75.64 105.7 180 bottom
R587  0R  [R0402]  75.63 104.76 180 bottom
R588  10K  [R0402]  84.95 100.23 90 bottom
R589  10K  [R0402]  84.96 98.24 270 bottom
R590  499R  [R0402]  75.63 103.55 180 bottom
R591  75R  [R0603]  80.5 135.59 90 top
R592  75R  [R0603]  84.82 135.59 90 top
R593  75R  [R0603]  72.79 135.59 90 top
R594  75R  [R0603]  77.11 135.59 90 top
R595  0R  [R0402]  75.63 102.6 180 bottom
R596  0R  [R0402]  86.94 100.23 90 bottom
R597  0R  [R0402]  85.99 100.23 90 bottom
R598  0R  [R0402]  83.99 98.24 270 bottom
R599  200R  [R0402]  87.46 106.69 0 bottom
R600  6.04K  [R0402]  76.45 112.54 270 bottom
R601  0R  [R0402]  76.42 110.43 270 bottom
R602  499R  [R0402]  76.08 140.68 90 top
R603  499R  [R0402]  72.8 140.68 90 top
R604  0R  [R0603]  95.05 10.91 270 top
R605  1K  [R0402]  72.69 100.19 0 bottom
R606  10K  [R0402]  72.54 106.24 90 bottom
R607  330R  [R0402]  159.76 6.58 270 bottom
R608  5.1K  [R0402]  110.9 106.68 0 bottom
R609  0R  [R0402]  110.9 110.77 0 bottom
R610  12K  [R0402]  100.59 112.44 180 bottom
R611  12K  [R0402]  110.68 112.51 0 top
R612  1M  [R1206]  15.73 158.48 0 bottom
R613  100K  [R0402]  147.93 97.74 180 top
R617  0R  [R0402]  147.93 95.76 0 top
R619  1K  [R0402]  144.79 93.5 270 top
R621  100K  [R0402]  145.76 93.5 90 top
R622  51K  [R0402]  129.53 94.35 180 top
R624  120K  [R0402]  125.96 100.52 270 top
R625  110K  [R0402]  126.92 100.52 90 top
SW1  SKQJLBA010  [SWITCH4-8X7X7MM]  147.12 4.01 0 bottom
SW2  SKQJLBA010  [SWITCH4-8X7X7MM]  103.74 158.99 180 bottom
SW3  DIP Switches  [SW8P_2D54_11_72X9_6X9_4MM]  7.36 60.58 90 bottom
T1  LP6096ANL  [TRF24P_1D27_17_7X12_2X6_6MM]  21.97 126.98 180 bottom
T2  LP6096ANL  [TRF24P_1D27_17_7X12_2X6_6MM]  40.57 126.98 180 bottom
T3  LP6096ANL  [TRF24P_1D27_17_7X12_2X6_6MM]  58.98 126.98 180 bottom
T4  LP6096ANL  [TRF24P_1D27_17_7X12_2X6_6MM]  77.4 126.98 180 bottom
TBU1  TBU-CA065-200-WH  [SMD3P_2D0_6_5X4X1MM]  84.36 17.12 270 top
TBU2  TBU-CA065-200-WH  [SMD3P_2D0_6_5X4X1MM]  72.22 17.12 270 top
TISP1  TISP4240M3BJ  [DO_214AA_SMB]  76.31 17.12 270 bottom
TISP2  TISP4240M3BJ  [DO_214AA_SMB]  80.27 17.12 270 bottom
TP1  Test Point  [TP28C8D]  73.77 93.14 90 top
TP2  Test Point  [TP28C8D]  71.06 93.14 90 top
TP3  Test Point  [TP28C8D]  66.97 93.09 0 top
TP4  Test Point  [TP28C8D]  86.15 80.39 0 top